# KiCad board UFC_Main.kicad_pcb (continued)
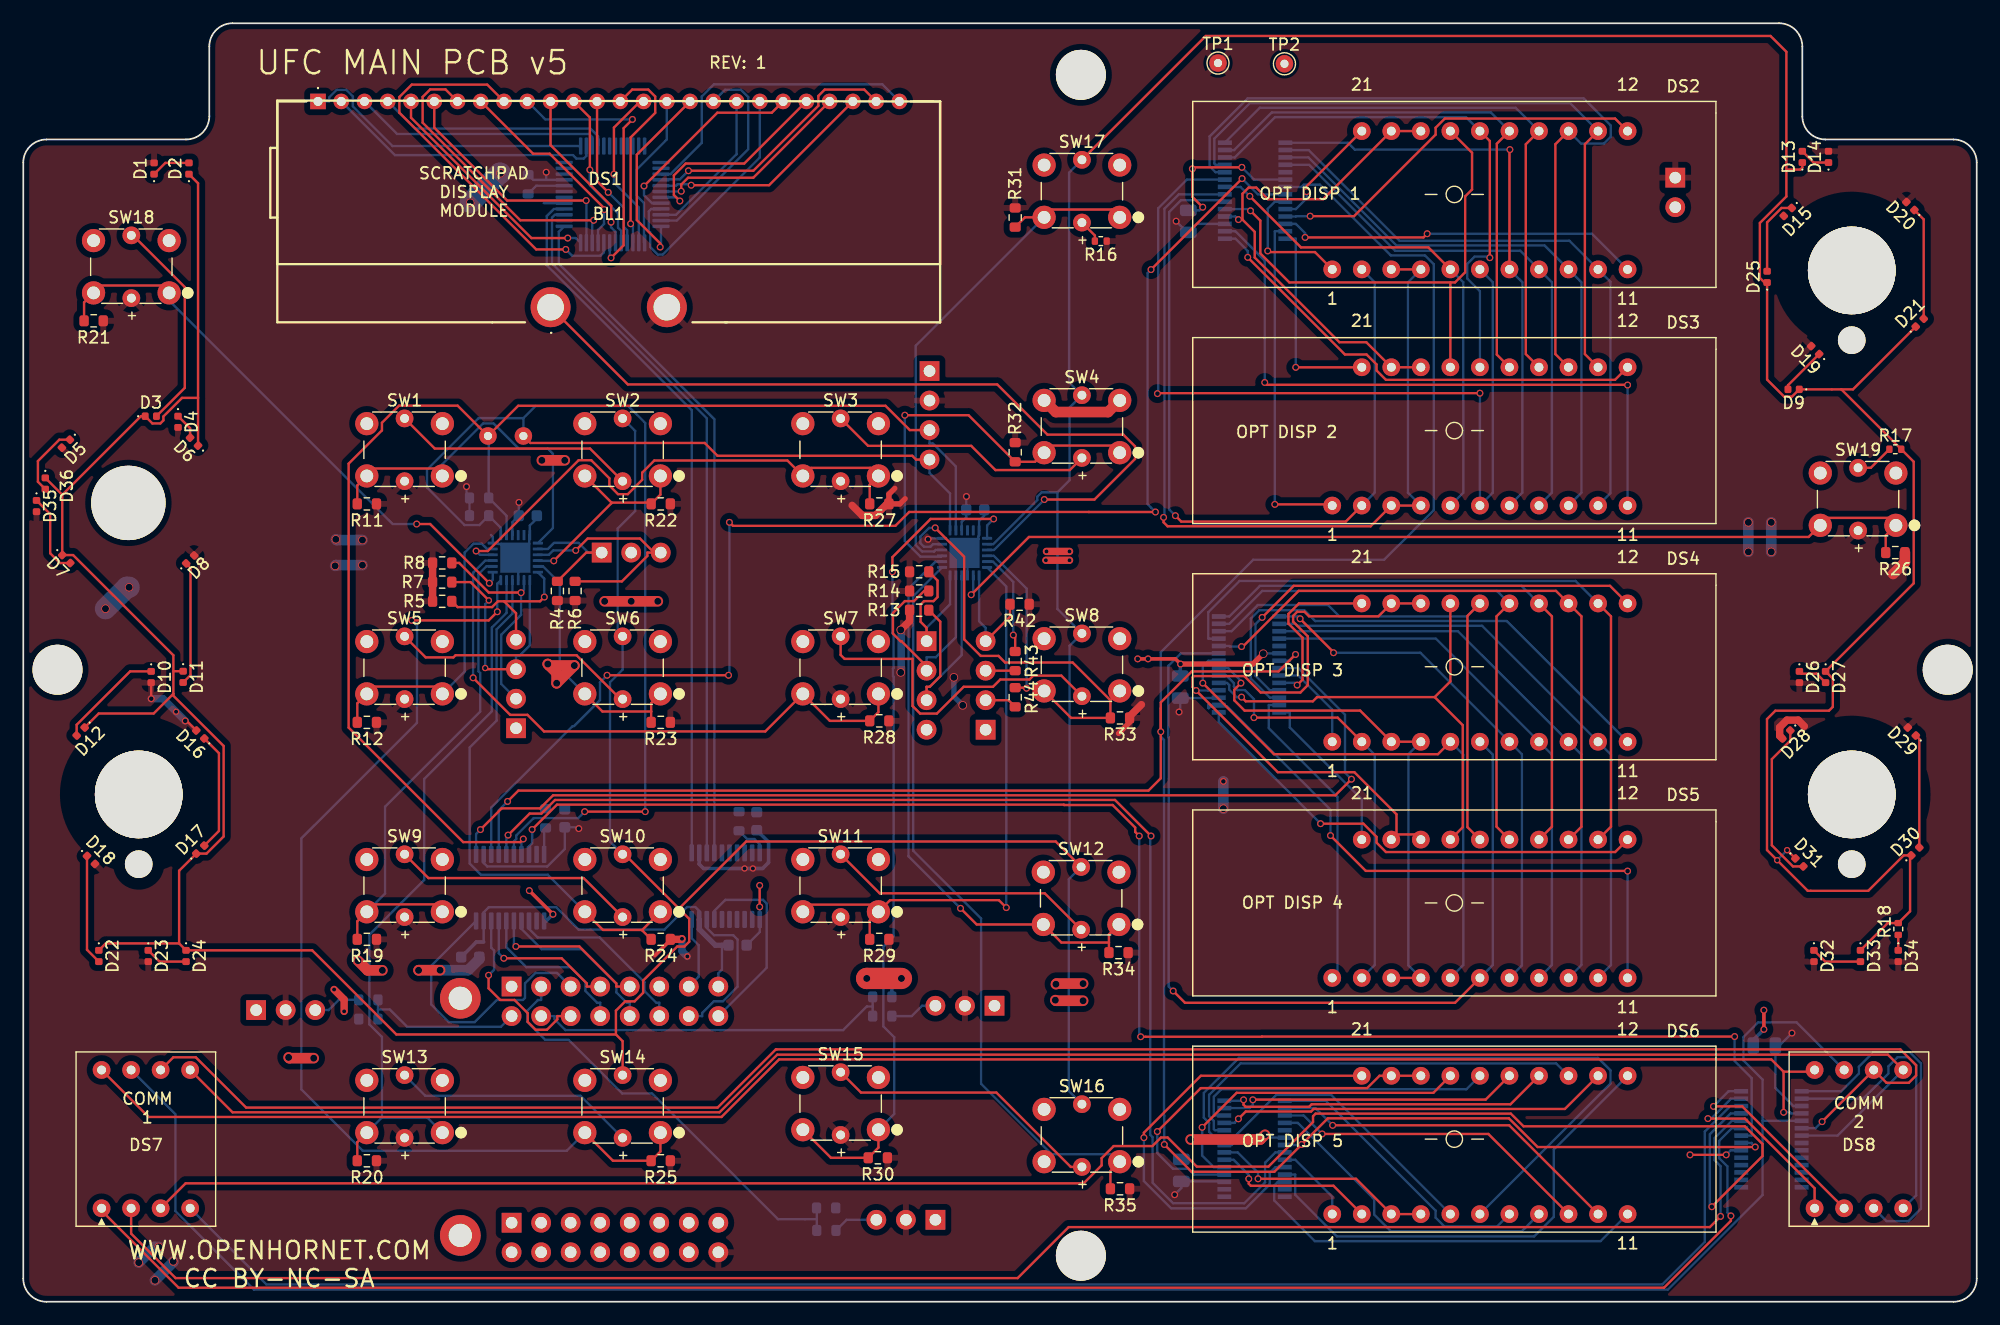
[diagram p0: board, top side]
## Routing (per net, layer and track width the routed paths; a pad name or vN(x,y) marks a point on that pad's centre or on a via; arc(x,y) is an arc through that point) (continued)
ANALOG1: length 4.1
  Bottom w0.203: R1.1 27.14,25.98 26.26,25.1 J3.3
ANALOG1@3.3V: length 14.1
  Bottom w0.203: 30.5,25.15 R3.1 ; 30.5,25.15 R1.2 ; 30.5,25.15 31.52,25.15 33.02,23.65 41.07,23.65 MC1.9
ANALOG2: length 4.1
  Bottom w0.203: R36.1 76.41,24.58 77.29,25.47 J8.3
ANALOG2@3.3V: length 31.7
  Bottom w0.203: 73.05,25.4 72.54,25.4 70.51,23.37 46.63,23.37 45.69,24.31 45.69,24.58 MC1.10 ; 73.05,25.4 R36.2 ; 73.05,25.4 R37.1
ANALOG3: length 3.9
  Bottom w0.203: J4.3 70.81,7.05 R38.1
ANALOG3@3.3V: length 37.6
  Bottom w0.203: R38.2 68.24,7.1 ; 68.24,7.1 68.24,8.05 R39.1 ; 68.24,7.1 64.91,7.1 54.08,17.92 51.51,17.92 46.89,22.53 44.89,22.53 43.34,24.08 43.34,25.04 44.27,25.97 44.54,25.97 MC1.2
C_CLK: length 135.1
  Top w0.203: v2(95.97,40.07) 95.63,40.42 95.63,40.8 93.69,42.74 89.51,42.74 89.48,42.77 45.9,42.77 v2(43.76,40.63) ; v2(147.18,22.82) 106.53,22.82 106.51,22.8 v2(96.1,22.8)
  Bottom w0.203: v2(95.97,40.07) 95.97,22.93 v2(96.1,22.8) ; U5.8 148.64,14.3 148.64,19.24 147.18,20.71 v2(147.18,22.82) ; v2(43.76,40.63) 43.76,39.45 43.5,39.18 U8.8
C_CLK@3.3V: length 16.1
  Bottom w0.203: MC1.14 54.7,25.73 54.43,25.73 53.43,26.73 53.43,27.49 49.58,31.34 44.24,31.34 43.5,32.09 U8.13
DIO: length 250.8
  Top w0.203: 97.83,51.06 97.83,45.04 96.77,43.98 42.58,43.98 v2(41.65,43.05) ; 97.83,51.06 v2(97.83,49.04) ; 97.83,51.06 97.83,51.57 100.49,54.23 107.96,54.23 v2(109.41,55.69) ; v2(98.13,13.53) 100.48,11.18 107.59,11.18 v2(109.94,13.53) 112.19,15.78 127.76,15.78 130.23,13.31 v2(148.95,13.31)
  Bottom w0.203: U4.7 109.9,13.49 v2(109.94,13.53) ; v2(98.13,13.53) 98.13,15.99 98.1,16.01 98.1,48.34 97.83,48.62 v2(97.83,49.04) 97.83,55.89 105.78,63.84 117.04,63.84 121.31,68.11 121.31,89.27 120.56,90.02 117.61,90.02 111.52,96.11 110.13,96.11 109.93,95.91 108.54,95.91 ; v2(148.95,13.31) 148.64,13.62 148.64,13.66 U5.7 ; v2(41.65,43.05) 40.9,42.29 U8.4 ; v2(109.41,55.69) 108.92,55.19 108.92,55.15 U3.7
DIO@3.3V: length 12.8
  Top w0.203: v2(41.33,29.55) 46.3,29.55 48.47,27.39 48.47,27.12 MC1.4
  Bottom w0.203: U8.17 40.9,29.98 v2(41.33,29.55)
OP1_CLK: length 117.1
  Top w0.203: v2(96.99,88.8) v2(104.82,96.63) ; v2(50.21,53.9) v2(60.65,53.9) ; v2(60.73,67.06) 61.03,66.76 75,66.76 76.19,67.95 91.64,67.95 91.64,67.95 v2(97.37,67.95)
  Bottom w0.203: v2(60.65,53.9) 60.73,53.98 v2(60.73,67.06) ; U8.3 40.25,42.53 47.24,49.53 47.36,49.53 49.6,51.76 49.6,53.29 v2(50.21,53.9) ; v2(97.37,67.95) 96.69,68.63 96.69,88.5 v2(96.99,88.8) ; v2(104.82,96.63) 106.17,95.28 108.54,95.28
OP1_CLK@3.3V: length 15.7
  Top w0.203: v2(40.02,28.09) 40.02,26.97 41.02,25.97 42.25,25.97 43.39,24.83 43.39,24.08 44.06,23.4 45.04,23.4 45.93,24.29 45.93,24.58 MC1.11
  Bottom w0.203: v2(40.02,28.09) 40.49,28.56 40.49,30.21 40.25,30.46 U8.18
OP2_CLK: length 92.1
  Top w0.203: v2(114.23,44.96) 112.84,43.58 45.57,43.58 44.44,42.45 41.14,42.45 v2(39.32,40.62)
  Bottom w0.203: v2(114.23,44.96) 113.67,45.52 113.67,50.51 109.66,54.52 U3.8 ; U8.1 38.95,40.25 v2(39.32,40.62)
OP2_CLK@3.3V: length 24.4
  Bottom w0.203: U8.20 35.08,28.9 35.08,25.58 36.6,24.06 38.82,24.06 40.73,25.97 42.97,25.97 43.15,26.14 43.15,27.39 44.04,28.29 45.91,28.29 MC1.3
OP3_CLK: length 104.4
  Top w0.203: v2(96.99,40.07) 93.89,43.17 45.73,43.17 44.56,42 43.55,42 v2(41.69,40.15)
  Bottom w0.203: v2(41.69,40.15) 41.55,40 U8.5 ; v2(96.99,40.07) 96.93,40.01 96.93,14.36 97.13,14.16 97.13,10.24 98.89,8.48 105.01,8.48 106.8,10.27 106.8,11.96 107.69,12.85 U4.8
OP3_CLK@3.3V: length 13.9
  Bottom w0.203: U8.16 41.55,30.51 43.27,28.78 47.07,28.78 48.35,27.5 48.35,26.73 49.35,25.73 49.62,25.73 MC1.12
SCL: length 123.5
  Top w0.203: TP3.1 43.62,73.89 58.6,73.89 59.71,72.78 76.46,72.78 76.79,72.46 J5.4 ; v2(53.49,42.17) v2(48.28,42.17)
  Bottom w0.203: 43.01,76.02 44.05,77.07 52.03,77.07 53.49,75.6 v2(53.49,42.17) ; 43.01,76.02 TP3.1 ; 43.01,76.02 39.16,76.02 34.72,71.59 34.72,70.06 37.95,66.83 39.23,66.83 R9.2 41.06,66.6 U6.19 ; v2(48.28,42.17) 47.73,41.61 43.89,41.61 42.4,40.12 42.4,39.82 42.2,39.62 U8.6 ; U7.19 79.7,69.54 77.94,71.31 J5.4
SCL@3.3V: length 13.6
  Top w0.203: v2(42.37,30.57) 47.82,30.57 51.01,27.39 51.01,27.12 MC1.5
  Bottom w0.203: v2(42.37,30.57) 42.2,30.74 U8.15
SCRCS: length 59.6
  Bottom w0.203: U9.4 59.44,75.93 46.06,89.31 46.06,92.06 U1.1
SCRCS@3.3V: length 17.2
  Bottom w0.203: MC1.16 63.93,28.74 63.93,34.27 63.62,34.58 60.39,34.58 59.44,33.63 U9.17
SCRDATA: length 61.7
  Bottom w0.203: U9.1 57.49,76.71 45.02,89.18 45.02,93.41 45.64,94.02 U1.4
SCRDATA@3.3V: length 6.4
  Bottom w0.203: MC1.7 58.09,27.97 58.09,30.67 57.49,31.27 U9.20
SCRWR: length 61.3
  Bottom w0.203: U1.3 45.72,93.52 45.47,93.28 45.47,89.32 58.79,76.01 U9.3
SCRWR@3.3V: length 13.2
  Bottom w0.203: MC1.15 58.39,24.58 58.39,24.85 59.39,25.85 60.17,25.85 61.43,27.1 61.43,31.16 61.06,31.53 59.41,31.53 58.79,32.16 U9.18
SDA: length 117.7
  Top w0.203: v2(43,39.82) 42.73,39.55 37.83,39.55 27.98,49.39 27.98,72.11 30.85,74.97 30.85,75.63 32.32,77.1 37.36,77.1 TP4.1 42.56,77.09 74.15,77.09 76.24,75 J5.3
  Bottom w0.203: J5.3 77.94,73.85 78.23,73.85 80.2,71.87 U7.20 ; TP4.1 40.03,74.43 R10.1 41.56,67.62 U6.20 ; v2(43,39.82) 42.85,39.66 U8.7
SDA@3.3V: length 14.2
  Bottom w0.203: MC1.13 52.16,25.73 51.89,25.73 51.01,26.61 51.01,27.36 48.04,30.33 44.59,30.33 42.85,32.08 U8.14
Net-(D1-Pad1): length 3.4
  Top w0.203: D2.2 12.22,97.99 D1.1
Net-(D4-Pad1): length 2.3
  Top w0.203: D4.1 14.35,75.16 D6.2
Net-(D10-Pad1): length 9.2
  Top w0.203: D10.1 9.19,54.24 4.59,49.64 D12.2
Net-(D11-Pad2): length 10.7
  Top w0.203: D8.1 14.38,63.15 14.38,53.91 D11.2
Net-(D13-Pad2): length 2.7
  Top w0.203: D13.2 153.97,98.02 D14.1
Net-(D15-Pad1): length 6.8
  Top w0.203: D15.1 151.21,94.11 149.97,92.87 D25.2
Net-(D16-Pad1): length 10.3
  Top w0.203: D16.1 16.83,47.2 16.83,40.51 D17.2
Net-(D18-Pad1): length 9.5
  Top w0.203: D22.2 5.48,30.28 D18.1
Net-(D19-Pad1): length 4.1
  Top w0.203: D9.2 151.77,78.85 D19.1
Net-(D20-Pad1): length 9.7
  Top w0.203: D20.1 163.44,93.12 D21.2
Net-(D23-Pad1): length 3.7
  Top w0.203: D23.1 11.72,29.27 D24.2
Net-(D26-Pad1): length 2.7
  Top w0.203: D27.2 154.23,54.04 152.95,54.04 D26.1
Net-(D28-Pad1): length 14
  Top w0.203: D31.2 152.19,37.46 150.38,39.27 150.38,46.69 151.96,48.27 D28.1
Net-(D29-Pad1): length 9.8
  Top w0.203: D30.2 163.06,48.42 D29.1
Net-(D32-Pad1): length 4.4
  Top w0.203: D32.1 154.97,29.27 D33.2
Net-(D34-Pad1): length 1.3
  Top w0.203: D34.1 R18.1
Net-(D35-Pad1): length 7.1
  Top w0.203: 1.14,68.95 2.32,67.77 2.32,64.4 3.16,63.56 D7.2
Net-(D36-Pad2): length 6.2
  Top w0.203: D5.1 3.1,74.17 1.26,72.33 1.26,70.55 D36.2
Net-(R2-Pad2): length 3.4
  Bottom w0.203: U1.8 44.12,96.02 R2.2
Net-(R40-Pad1): length 2.3
  Bottom w0.203: U8.10 44.8,40.65 R40.1
Net-(R41-Pad1): length 3
  Bottom w0.203: R41.1 62.26,39.82 62.88,39.82 63.34,39.35 U9.10
Net-(R43-Pad1): length 9
  Top w0.203: 85.3,55.95 85.3,57.2 v2(85.14,57.36)
  Bottom w0.203: U7.5 83.39,63.68 85.14,61.93 v2(85.14,57.36)
Net-(R44-Pad1): length 14.1
  Top w0.203: 85.3,52.84 86.24,52.84 v2(86.29,52.79)
  Bottom w0.203: U7.4 83.46,64.18 86.29,61.36 v2(86.29,52.79)

## Copper pours and planes (outline as drawn; the poured copper is in the pictures)
+5V on Top: 168.03,110 168.09,-0.04 0.01,-0.04 0.01,110
GND on Bottom: 168.03,110 168.09,-0.04 0.01,-0.04 0.01,110

## Text on the board
B.Silkscreen: NOGO_LED | ENC1- | GND | ENC1+ | ENC1PB | 1 | 2 | ENC2- | ENC2+ | ENC2PB | +5V | SDA | SCL | BIT_SW | GO_LED | A | WWW.OPENHORNET.COM / CC BY-NC-SA | UFC MAIN PCB v5
F.Silkscreen: COMM / 1 | SCRATCHPAD / DISPLAY / MODULE | REV: 1 | OPT DISP 2 | OPT DISP 3 | OPT DISP 4 | OPT DISP 5 | OPT DISP 1 | COMM / 2 | WWW.OPENHORNET.COM / CC BY-NC-SA | UFC MAIN PCB v5
